# Altium PCB версия1.PcbDoc (part 3 of 3)
Units mm, origin at the board's own origin, x right, y up, seen from the top; angles counter-clockwise.
Board outline 53 x 45 mm, 4 copper layers (Top Layer, Layer 1, Layer 2, Bottom Layer), stack 1.083 mm thick; 122 components, 140 nets, 822 pads, 325 vias.
Unrouted connection lines stored in the file: 1.
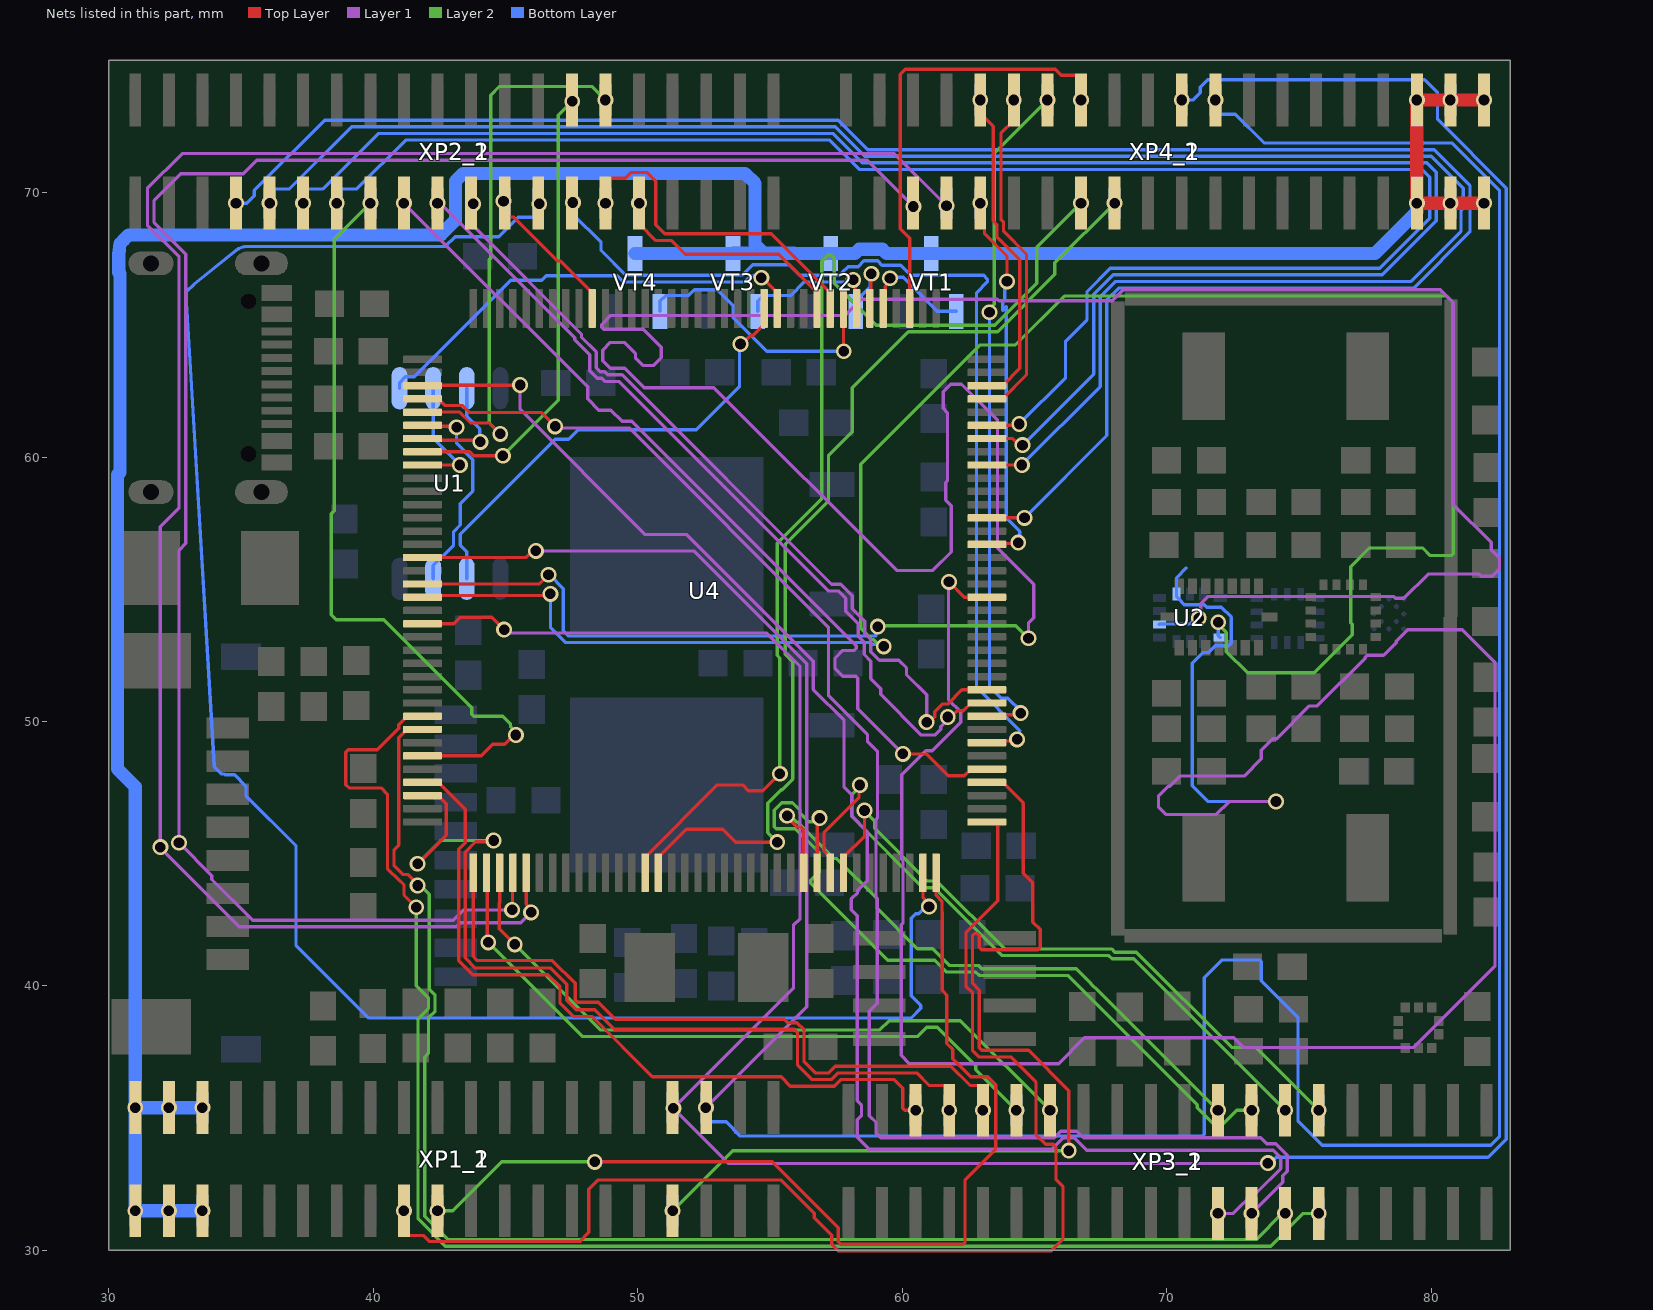
[diagram p5: the nets of this part, all layers, seen from the top]

## Via types
v1: diameter 0.6, hole 0.4, Top Layer to Bottom Layer, 325 vias

## Nets (pads, with @x,y where several pads share a name; then routed paths per layer and width w, separated by ;. In a path a pad name is that pad's centre, name@x,y a point inside that pad or via, vN(x,y) a via of type N, cw(c..) or ccw(c..) an arc to the next point about the centre after c; other vN are vias at no path point) (continued)
NetU1_2: U1.2 U4.86 | length 18.1
  Top Layer w0.125: v1(53.887,64.275) 53.942,64.275 54.253,64.586 54.341,64.586 54.78,65.025 U4.86@54.78,65.62
  Bottom Layer w0.125: U1.2@43.535,55.4 43.535,56.426 43.287,56.673 43.287,57.077 46.885,60.674 47.383,60.674 47.746,61.038 52.217,61.038 53.85,62.67 53.85,64.238 v1(53.887,64.275)
NetU1_3: U1.3 U4.114 | length 7.9
  Top Layer w0.125: U4.114@41.86,61.2 41.898,61.162 43.113,61.162 v1(43.15,61.125)
  Bottom Layer w0.125: U1.3@42.265,55.4 42.265,55.9 43.037,56.672 43.037,57.18 43.287,57.43 43.287,58.239 43.762,58.714 43.762,59.902 43.15,60.514 v1(43.15,61.125)
NetU1_5: U1.5 U4.85 | length 17.2
  Top Layer w0.125: v1(54.675,66.78) 54.715,66.78 55.28,66.215 U4.85@55.28,65.62
  Bottom Layer w0.125: U1.5@40.995,62.6 40.995,62.818 41.214,63.037 41.548,63.037 45.198,66.688 46.371,66.688 46.533,66.85 49.219,66.85 49.45,66.619 54.05,66.619 54.281,66.85 54.605,66.85 v1(54.675,66.78)
NetU1_6: U1.6 U4.117 | length 4.7
  Top Layer w0.125: U4.117@41.86,59.7 v1(43.275,59.7)
  Bottom Layer w0.125: U1.6@42.265,62.6 42.265,60.71 v1(43.275,59.7)
NetU1_7: U1.7 U4.115 | length 4.5
  Top Layer w0.125: U4.115@41.86,60.7 41.923,60.638 43.987,60.638 v1(44.05,60.575)
  Bottom Layer w0.125: U1.7@43.535,62.6 43.535,61.55 44.022,61.062 44.022,60.603 v1(44.05,60.575)
NetU2_4: U2.4 U4.127 | length 75.5
  Top Layer w0.125: U4.127@41.86,54.7 41.923,54.763 46.638,54.763 v1(46.7,54.825)
  Layer 2 w0.125: v1(59.303,52.84) 59.175,52.84 58.916,53.099 58.873,53.099 58.437,53.534 58.437,59.73 62.945,64.237 64.284,64.237 66.134,66.088 80.581,66.088 80.842,65.827 80.842,56.348 80.768,56.275 79.961,56.275 79.673,56.563 77.67,56.563 76.963,55.855 76.963,53.727 77.013,53.677 77.013,53.273 75.579,51.84 73.057,51.84 72.255,52.642 72.255,53.367 71.951,53.671 v1(71.951,53.753)
  Bottom Layer w0.125: v1(46.7,54.825) 46.7,53.557 47.272,52.986 58.775,52.986 58.837,52.923 59.22,52.923 v1(59.303,52.84) ; v1(71.951,53.753) 71.951,53.249 U2.4@72.025,53.175
NetU2_9: U2.9 U4.126 | length 124.4
  Top Layer w0.125: U4.126@41.86,55.2 46.275,55.2 v1(46.625,55.55)
  Layer 1 w0.125: v1(64.775,53.15) 64.775,53.719 64.978,53.922 64.978,55.183 63.604,56.556 63.604,61.394 62.242,62.757 61.838,62.757 61.553,62.471 61.553,61.837 61.713,61.677 61.713,59.098 61.643,59.029 61.643,58.372 61.849,58.166 61.849,56.41 61.152,55.712 59.792,55.712 52.88,62.624 50.244,62.624 49.51,63.358 48.967,63.358 48.681,63.643 48.681,64.047 48.967,64.333 49.496,64.333 49.912,63.916 49.912,63.748 50.198,63.462 50.602,63.462 50.832,63.693 50.832,63.707 50.888,63.763 50.888,64.152 50.207,64.833 48.709,64.833 48.636,64.906 48.636,65.01 48.981,65.355 57.851,65.355 58.458,65.963 63.599,65.963 63.657,65.904 67.939,65.904 68.359,66.325 80.344,66.325 80.842,65.827 80.842,58.205 82.275,56.771 82.275,56.489 82.588,56.177 82.588,55.773 82.302,55.487 81.898,55.487 81.811,55.575 79.886,55.575 78.967,54.657 78.65,54.657 78.582,54.725 71.551,54.725 71.286,54.459 71.286,53.98 v1(71.215,53.909)
  Layer 2 w0.125: v1(59.075,53.586) 59.112,53.623 64.302,53.623 v1(64.775,53.15)
  Bottom Layer w0.125: v1(46.625,55.55) 46.664,55.55 47.188,55.027 47.188,53.423 47.375,53.236 58.997,53.236 58.997,53.508 v1(59.075,53.586) ; U2.9@69.725,53.675 69.738,53.687 70.864,53.687 71.086,53.909 v1(71.215,53.909)
NetU2_12: U2.12 U4.54 | length 92.5
  Top Layer w0.125: v1(61.77,55.28) 62.35,54.7 U4.54@63.2,54.7
  Layer 1 w0.125: v1(61.77,55.28) 61.75,55.261 61.75,50.832 62.209,50.373 62.209,49.97 61.135,48.896 60.899,48.896 59.988,47.984 59.988,44.784 60.027,44.745 60.027,42.373 59.962,42.309 59.962,37.372 60.271,37.064 65.916,37.064 66.89,38.037 72.536,38.037 72.898,37.675 79.35,37.675 82.413,40.738 82.413,52.237 81.175,53.475 79.121,53.475 78.684,53.037 78.684,52.982 78.202,52.5 77.586,52.5 77.512,52.427 77.512,52.398 75.702,50.587 75.4,50.587 74.157,49.345 74.007,49.345 73.575,48.913 73.575,48.586 72.927,47.937 70.502,47.937 70.121,47.557 70.068,47.557 69.688,47.176 69.688,46.772 69.973,46.487 71.876,46.487 72.364,46.975 v1(74.135,46.975)
  Bottom Layer w0.125: 70.738,55.807 70.375,55.445 70.375,54.725 70.563,54.538 70.563,54.508 70.658,54.412 71.428,54.412 71.516,54.325 72.068,54.325 72.439,53.955 72.439,53.551 72.438,53.55 72.438,52.958 72.342,52.863 71.842,52.863 71.592,52.612 71.379,52.612 70.969,52.202 70.969,47.576 71.57,46.975 v1(74.135,46.975)
NetU4_1: U4.1 XP3_1.10 XP3_2.10 | length 26.6
  Top Layer w0.125: U4.1@43.78,44.28 43.78,41.115 43.933,40.962 46.774,40.962 47.637,40.099 47.637,39.483 47.733,39.387 48.508,39.387 49.158,38.737 55.542,38.737 55.667,38.613 56.021,38.613 56.287,38.346 56.287,37.133 56.708,36.712 57.221,36.712 57.471,36.962 61.841,36.962 62.566,36.237 62.888,36.237 63.05,36.075 v1(63.05,35.3)
NetU4_2: U4.2 XP3_1.12 XP3_2.12 | length 25.6
  Top Layer w0.125: U4.2@44.28,44.28 44.315,44.245 44.315,41.685 v1(44.35,41.65)
  Layer 2 w0.125: v1(44.35,41.65) 47.912,38.088 60.573,38.088 60.923,38.438 61.327,38.438 62.778,36.986 62.778,36.842 v1(64.32,35.3)
NetU4_3: U4.3 XP3_1.14 XP3_2.14 | length 26.1
  Top Layer w0.125: U4.3@44.78,44.28 44.78,43.149 44.762,43.132 44.762,42.163 v1(45.35,41.575)
  Layer 2 w0.125: v1(45.35,41.575) 48.586,38.339 59.154,38.339 59.503,38.688 62.202,38.688 v1(65.59,35.3)
NetU4_4: U4.4 XP4_1.5 XP4_2.5 | length 70.4
  Top Layer w0.125: v1(45.25,42.875) 45.265,42.89 45.265,44.265 U4.4@45.28,44.28
  Layer 1 w0.125: v1(45.25,42.875) 43.417,42.875 43.029,42.487 35.438,42.487 33.898,44.027 33.898,44.173 v1(32.656,45.415) 32.656,56.484 32.906,56.734 32.906,67.674 31.713,68.868 31.713,69.702 32.723,70.713 35.088,70.713 35.6,71.225 58.675,71.225 v1(60.425,69.475)
NetU4_5: U4.5 XP4_1.7 XP4_2.7 | length 74.4
  Top Layer w0.125: U4.5@45.78,44.28 45.78,43.099 45.969,42.91 v1(45.969,42.781)
  Layer 1 w0.125: v1(45.969,42.781) 45.575,42.387 43.283,42.387 43.133,42.237 34.938,42.237 31.95,45.225 v1(31.95,45.25) 31.95,57.37 32.656,58.076 32.656,67.571 31.463,68.764 31.463,70.166 32.771,71.475 59.7,71.475 v1(61.675,69.5)
NetU4_14: U4.14 XP4_1.15 XP4_2.15 | length 41.6
  Top Layer w0.125: U4.14@50.28,44.28 50.28,44.875 53.005,47.6 53.965,47.6 54.185,47.38 54.73,47.38 v1(55.375,48.025)
  Layer 2 w0.125: v1(55.375,48.025) 55.375,52.396 55.273,52.498 55.273,56.741 56.962,58.43 56.962,67.412 57.198,67.648 57.302,67.648 57.433,67.517 57.433,66.577 59.022,64.987 63.502,64.987 65.086,66.571 65.086,67.926 v1(66.76,69.6)
NetU4_15: U4.15 XP4_1.17 XP4_2.17 | length 37.7
  Top Layer w0.125: U4.15@50.78,44.28 50.78,44.875 51.832,45.928 53.223,45.928 53.711,45.44 v1(55.275,45.44)
  Layer 2 w0.125: v1(55.275,45.44) 54.912,45.803 54.912,46.912 55.425,47.425 55.464,47.425 55.863,47.823 55.863,52.262 55.58,52.544 55.58,56.695 57.212,58.327 57.212,60.057 58.114,60.959 58.114,62.617 60.235,64.737 63.605,64.737 65.772,66.904 65.772,67.342 v1(68.03,69.6)
NetU4_26: U4.26 XP3_1.24 XP3_2.24 | length 23.6
  Top Layer w0.125: v1(55.65,46.438) 55.65,46.389 56.029,46.01 56.177,46.01 56.28,45.907 U4.26@56.28,44.28
  Layer 2 w0.125: v1(55.65,46.438) 55.779,46.438 56.016,46.2 56.057,46.2 57.439,44.818 57.523,44.818 59.052,43.29 59.052,42.939 60.578,41.412 61.146,41.412 61.781,40.778 62.883,40.778 63.011,40.65 66.59,40.65 67.137,40.102 67.137,40.093 67.423,39.807 67.433,39.807 v1(71.94,35.3)
NetU4_27: U4.27 XP3_1.26 XP3_2.26 | length 29.1
  Top Layer w0.125: U4.27@56.78,44.28 56.793,44.293 56.793,46.267 v1(56.875,46.35)
  Layer 2 w0.125: v1(56.875,46.35) 56.746,46.35 56.605,46.208 56.461,46.208 56.138,46.532 56.138,46.639 55.852,46.925 55.448,46.925 55.162,46.639 55.162,46.023 55.236,45.95 55.954,45.95 56.875,45.029 56.875,44.325 56.545,43.995 56.545,43.891 59.457,40.978 61.227,40.978 61.677,40.528 62.779,40.528 62.907,40.4 66.259,40.4 71.158,35.502 71.158,35.393 71.738,34.812 72.166,34.812 72.654,35.3 v1(73.21,35.3)
NetU4_28: U4.28 XP3_1.28 XP3_2.28 | length 26.3
  Top Layer w0.125: U4.28@57.28,44.28 57.28,44.875 57.043,45.113 57.043,45.791 58.364,47.112 58.364,47.564 v1(58.4,47.6)
  Layer 2 w0.125: v1(58.4,47.6) 58.4,47.536 58.088,47.223 58.088,46.409 60.778,43.718 61.207,43.718 63.775,41.15 67.813,41.15 67.935,41.028 68.752,41.028 v1(74.48,35.3)
NetU4_29: U4.29 XP3_1.30 XP3_2.30 | length 24.7
  Top Layer w0.125: U4.29@57.78,44.28 57.78,44.875 58.575,45.67 v1(58.575,46.634)
  Layer 2 w0.125: v1(58.575,46.634) 58.575,46.611 58.953,46.233 58.953,45.958 60.942,43.968 61.31,43.968 63.879,41.4 67.916,41.4 68.038,41.278 68.856,41.278 72.459,37.675 73.375,37.675 v1(75.75,35.3)
NetU4_35: U4.35 XP2_1.25 XP2_2.25 | length 71.8
  Top Layer w0.125: U4.35@60.78,44.28 60.785,44.275 60.785,43.358 61.014,43.129 v1(61.014,43)
  Bottom Layer w0.125: v1(46.275,69.575) 46.275,69.26 46.077,69.063 45.487,69.063 44.751,68.326 43.094,68.326 42.731,67.962 35.22,67.962 ccw(c35.22,67.325) 34.82,67.822 33.223,66.538 32.937,66.252 32.937,65.848 33.987,48.298 34.273,48.012 34.377,48.012 34.402,47.988 34.755,47.988 35.188,47.555 35.188,47.202 37.078,45.312 37.078,41.547 39.837,38.787 60.333,38.787 60.706,39.161 60.706,39.264 60.337,39.633 60.337,42.567 60.503,42.733 60.619,42.733 60.886,43 v1(61.014,43)
NetU4_36: U4.36 XP1_1.19 XP1_2.19 | length 38.1
  Top Layer w0.125: v1(48.375,33.35) 55.088,33.35 57.582,30.856 57.582,30.333 57.678,30.237 62.302,30.237 62.375,30.311 62.375,32.671 63.538,33.834 63.538,36.267 63.239,36.566 62.592,36.566 61.911,37.247 61.911,37.6 61.685,37.826 61.685,39.658 61.513,39.831 61.513,42.787 61.502,42.798 61.502,43.202 61.28,43.424 U4.36@61.28,44.28
  Layer 2 w0.125: v1(42.43,31.5) 43.011,31.5 44.861,33.35 v1(48.375,33.35)
NetU4_37: U4.37 XP1_1.17 XP1_2.17 | length 48.4
  Top Layer w0.125: v1(41.16,31.5) 41.16,30.725 41.322,30.563 41.913,30.563 42.138,30.338 47.802,30.338 48.145,30.68 48.145,32.32 48.488,32.663 55.422,32.663 56.675,31.41 56.675,31.24 57.332,30.583 57.332,30.229 57.574,29.987 57.928,29.987 65.632,29.987 66.077,30.433 66.077,32.421 65.812,32.686 65.812,33.909 65.711,34.011 65.424,34.011 65.058,34.378 65.058,36.371 64.113,37.316 62.902,37.316 62.661,37.557 62.661,39.744 62.411,39.994 62.411,42.014 63.613,43.216 63.613,46.123 63.535,46.2 U4.37@63.2,46.2
NetU4_40: U4.40 XP1_1.33 XP1_2.33 | length 37.2
  Top Layer w0.125: U4.40@63.2,47.7 63.795,47.7 64.575,46.92 64.575,44.264 64.938,43.902 64.938,42.418 65.217,42.139 65.217,41.471 65.122,41.376 63.006,41.376 62.911,41.471 62.911,41.911 62.837,41.984 62.734,41.984 62.661,41.911 62.661,40.097 62.911,39.847 62.911,37.661 63.006,37.566 64.779,37.566 66.3,36.045 v1(66.3,33.775)
  Layer 2 w0.125: v1(51.32,31.5) 53.595,33.775 v1(66.3,33.775)
NetU4_41: U4.41 XP2_1.17 XP2_2.17 | length 34
  Top Layer w0.125: v1(60.025,48.775) 60.914,48.775 61.744,47.946 62.351,47.946 62.605,48.2 U4.41@63.2,48.2
  Layer 1 w0.125: v1(41.16,69.6) 48.105,62.655 48.105,62.198 48.529,61.774 48.986,61.774 49.41,61.35 49.779,61.35 58.264,52.864 58.264,52.761 58.191,52.687 57.748,52.687 57.462,52.402 57.462,51.998 57.748,51.712 58.243,51.712 58.316,51.639 58.316,50.484 v1(60.025,48.775)
NetU4_43: U4.43 XP2_1.27 XP2_2.27 | length 37.7
  Top Layer w0.125: U4.43@63.2,49.2 63.263,49.138 63.388,49.263 64.284,49.263 v1(64.346,49.325)
  Bottom Layer w0.125: v1(47.55,69.625) 47.55,69.185 48.613,68.122 48.613,67.81 49.553,66.869 53.947,66.869 54.345,67.267 55.732,67.267 56.13,66.869 57.647,66.869 57.742,66.965 57.742,66.979 57.962,67.199 58.334,67.199 58.555,67.42 59.071,67.42 59.236,67.255 59.936,67.255 60.322,66.869 63.081,66.869 63.223,66.727 63.223,66.623 62.812,66.212 62.812,51.294 64.45,49.657 64.437,49.644 64.437,49.416 v1(64.346,49.325)
NetU4_45: U4.45 XP4_1.14 XP4_2.14 | length 26.1
  Top Layer w0.125: U4.45@63.2,50.2 63.275,50.275 63.29,50.26 64.417,50.26 v1(64.477,50.319)
  Layer 2 w0.125: v1(63.3,65.475) 63.3,65.604 63.475,65.779 63.475,71.485 v1(65.49,73.5)
  Bottom Layer w0.125: v1(63.3,65.475) 63.3,51.325 63.742,50.883 63.992,50.883 64.477,50.398 v1(64.477,50.319)
NetU4_46: U4.46 XP2_1.19 XP2_2.19 | length 31.5
  Top Layer w0.125: v1(61.721,50.171) 61.85,50.171 62.09,50.411 62.316,50.411 62.605,50.7 U4.46@63.2,50.7
  Layer 1 w0.125: v1(42.43,69.6) 42.539,69.6 47.624,64.516 47.624,64.429 48.181,63.871 48.181,63.268 48.474,62.975 48.642,62.975 48.76,62.858 49.282,62.858 57.202,54.938 57.577,54.938 57.863,54.652 57.863,54.17 58.337,53.695 58.337,53.229 58.566,53 58.566,52.534 58.812,52.288 58.812,51.623 59.187,51.248 59.187,51.023 60.723,49.487 61.238,49.487 61.463,49.713 61.463,49.798 61.721,50.057 v1(61.721,50.171)
NetU4_47: U4.47 XP2_1.21 XP2_2.21 | length 30.7
  Top Layer w0.125: v1(60.925,49.975) 61.036,49.975 61.234,50.173 61.234,50.373 61.519,50.659 61.72,50.659 62.261,51.2 U4.47@63.2,51.2
  Layer 1 w0.125: v1(43.78,69.575) 43.7,69.495 43.7,68.814 47.874,64.641 47.874,64.532 48.431,63.975 48.431,63.371 48.578,63.225 48.746,63.225 48.863,63.108 49.407,63.108 57.327,55.188 57.68,55.188 58.113,54.755 58.113,54.273 58.587,53.798 58.587,53.332 58.816,53.104 58.816,52.638 59.141,52.313 59.877,52.313 60.163,52.027 60.163,51.773 60.925,51.011 v1(60.925,49.975)
NetU4_58: U4.58 XP4_1.9 XP4_2.9 | length 15.1
  Top Layer w0.125: v1(62.95,69.6) 63.112,69.438 63.112,68.438 63.963,67.588 v1(63.963,66.642) ; U4.58@63.2,56.7 63.233,56.733 64.354,56.733 v1(64.387,56.766)
  Bottom Layer w0.125: v1(63.963,66.642) 63.873,66.553 63.873,65.938 63.8,65.864 63.8,65.55 63.937,65.687 63.937,57.698 64.448,57.188 64.448,56.827 v1(64.387,56.766)
NetU4_60: U4.60 XP2_1.7 XP2_2.7 | length 76.6
  Top Layer w0.125: U4.60@63.2,57.7 v1(64.625,57.7)
  Bottom Layer w0.125: v1(34.81,69.6) 35.222,69.6 35.505,69.883 35.505,70.08 38.163,72.738 57.578,72.738 58.69,71.625 80.113,71.625 81.467,70.271 81.467,68.514 79.343,66.39 68.18,66.39 67.74,65.949 67.74,60.815 v1(64.625,57.7)
NetU4_64: U4.64 XP2_1.9 XP2_2.9 | length 72.8
  Top Layer w0.125: U4.64@63.2,59.7 v1(64.525,59.7)
  Bottom Layer w0.125: v1(36.08,69.6) 36.08,69.975 36.242,70.138 36.833,70.138 39.183,72.488 57.474,72.488 58.587,71.375 80.01,71.375 81.217,70.167 81.217,69.398 81.127,69.308 81.127,68.527 79.24,66.64 68.076,66.64 67.49,66.053 67.49,62.665 v1(64.525,59.7)
NetU4_66: U4.66 XP2_1.11 XP2_2.11 | length 69
  Top Layer w0.125: U4.66@63.2,60.7 64.171,60.7 64.421,60.45 v1(64.55,60.45)
  Bottom Layer w0.125: v1(37.35,69.6) 37.35,69.975 37.512,70.138 38.103,70.138 40.203,72.238 57.371,72.238 58.483,71.125 79.843,71.125 80.197,70.77 80.197,68.929 78.158,66.89 67.973,66.89 67.24,66.156 67.24,63.14 v1(64.55,60.45)
NetU4_67: U4.67 XP2_1.13 XP2_2.13 | length 66.1
  Top Layer w0.125: U4.67@63.2,61.2 64.375,61.2 v1(64.425,61.25)
  Bottom Layer w0.125: v1(38.62,69.6) 38.62,69.975 38.782,70.138 39.373,70.138 41.223,71.988 57.267,71.988 58.38,70.875 79.65,70.875 79.947,70.578 79.947,69.033 78.054,67.14 67.869,67.14 66.99,66.26 66.99,65.199 66.175,64.385 66.175,63 v1(64.425,61.25)
NetU4_69: U4.69 XP4_1.12 XP4_2.12 | length 12.9
  Top Layer w0.125: U4.69@63.2,62.2 63.795,62.2 64.7,63.105 64.7,67.665 63.832,68.533 63.832,68.886 63.732,68.986 63.732,72.237 64.22,72.725 v1(64.22,73.5)
NetU4_70: U4.70 XP4_1.10 XP4_2.10 | length 12.4
  Top Layer w0.125: v1(62.95,73.5) 62.95,73.323 62.787,73.161 62.777,73.161 63.437,72.5 63.437,68.928 63.582,68.783 63.582,68.321 64.45,67.454 64.45,63.355 63.795,62.7 U4.70@63.2,62.7
NetU4_75: U4.75 XP4_1.16 XP4_2.16 | length 16.8
  Top Layer w0.125: U4.75@60.28,65.62 60.28,68.275 59.922,68.633 59.922,74.467 60.118,74.662 65.782,74.662 66.007,74.437 66.597,74.437 66.76,74.275 v1(66.76,73.5)
NetU4_77: U4.77 VT1.1 | length 4.3
  Top Layer w0.125: U4.77@59.28,65.62 59.357,65.697 59.357,66.449 59.539,66.631 v1(59.539,66.759)
  Bottom Layer w0.125: v1(59.539,66.759) 59.58,66.8 60.038,66.8 61.33,65.508 VT1.1@62.04,65.508
NetU4_78: U4.78 VT2.1 | length 3
  Top Layer w0.125: U4.78@58.78,65.62 58.807,65.647 58.807,66.905 v1(58.835,66.932)
  Bottom Layer w0.125: VT2.1@58.24,65.508 58.24,65.889 58.796,66.445 58.796,66.893 v1(58.835,66.932)
NetU4_79: U4.79 VT3.1 | length 5.5
  Top Layer w0.125: v1(58.149,66.697) 58.215,66.631 58.215,66.28 58.28,66.215 U4.79@58.28,65.62
  Bottom Layer w0.125: VT3.1@54.54,65.508 54.54,65.889 54.757,66.106 55.788,66.106 56.302,66.619 58.072,66.619 v1(58.149,66.697)
NetU4_80: U4.80 VT4.1 | length 10.4
  Top Layer w0.125: U4.80@57.78,65.62 57.778,65.617 57.778,64.012 v1(57.789,64)
  Bottom Layer w0.125: VT4.1@50.84,65.508 50.84,65.889 51.057,66.106 51.919,66.106 52.144,66.331 53.007,66.331 53.6,65.738 53.6,65.278 54.882,63.996 57.785,63.996 v1(57.789,64)
NetU4_81: U4.81 XP2_1.29 XP2_2.29 | length 12.9
  Top Layer w0.125: v1(48.78,69.6) 48.78,70.375 48.942,70.538 49.53,70.538 49.755,70.763 50.342,70.763 50.685,70.42 50.685,68.78 51.028,68.438 55.057,68.438 57.28,66.215 U4.81@57.28,65.62
NetU4_82: U4.82 XP2_1.31 XP2_2.31 | length 9.2
  Top Layer w0.125: v1(50.05,69.6) 50.05,68.825 50.688,68.188 51.278,68.188 51.803,67.663 55.332,67.663 56.78,66.215 U4.82@56.78,65.62
NetU4_99: U4.99 XP2_1.23 XP2_2.23 | length 5.7
  Top Layer w0.125: XP2_1.23@44.95,69.808 44.95,69.258 45.132,69.076 45.309,69.076 46.973,67.413 47.082,67.413 48.28,66.215 U4.99@48.28,65.62
  other v1: 44.925,69.675
NetU4_111: U4.111 XP3_1.23 XP3_2.23 | length 59.2
  Top Layer w0.125: U4.111@41.86,62.7 41.873,62.713 45.538,62.713 v1(45.55,62.725)
  Layer 1 w0.125: v1(45.55,62.725) 45.55,61.8 50.281,57.069 51.856,57.069 56.638,52.287 56.638,51.209 57.8,50.046 57.8,47.511 58.087,47.223 58.087,46.432 58.679,45.841 58.679,43.982 58.313,43.615 58.313,43.526 58.077,43.29 58.077,42.886 58.3,42.663 58.3,35.659 58.458,35.502 58.458,35.098 58.3,34.941 58.3,34.277 58.752,33.825 65.661,33.825 66.098,34.263 66.502,34.263 66.977,33.788 74.027,33.788 74.313,33.502 74.313,33.098 73.425,32.211 73.331,32.211 72.521,31.4 v1(71.94,31.4)
NetU4_112: U4.112 XP3_1.25 XP3_2.25 | length 58
  Top Layer w0.125: U4.112@41.86,62.2 42.455,62.2 42.705,61.95 43.368,61.95 43.63,61.688 46.352,61.688 v1(46.878,61.162)
  Layer 1 w0.125: v1(46.878,61.162) 46.939,61.1 49.675,61.1 57.212,53.563 57.212,50.988 58.687,49.513 58.687,49.247 59.063,48.872 59.063,46.352 59.013,46.302 59.013,43.329 59.052,43.29 59.052,39.344 58.752,39.044 58.752,35.098 59.013,34.838 59.013,34.437 59.188,34.263 65.745,34.263 65.995,34.513 66.605,34.513 66.855,34.263 73.552,34.263 73.777,34.038 74.13,34.038 74.563,33.605 74.563,32.995 74.395,32.827 74.395,32.585 v1(73.21,31.4)
NetU4_113: U4.113 XP2_1.30 XP2_2.30 | length 21
  Top Layer w0.125: U4.113@41.86,61.7 43.264,61.7 43.677,61.287 44.387,61.287 v1(44.8,60.875)
  Layer 2 w0.125: v1(44.8,60.875) 44.387,61.287 44.387,67.471 44.437,67.521 44.437,73.677 44.773,74.013 48.262,74.013 v1(48.775,73.5)
NetU4_116: U4.116 XP2_1.28 XP2_2.28 | length 17.6
  Top Layer w0.125: U4.116@41.86,60.2 43.641,60.2 43.791,60.05 v1(44.9,60.05)
  Layer 2 w0.125: v1(44.9,60.05) 47,62.15 47,72.925 v1(47.525,73.45)
NetU4_124: U4.124 XP1_1.36 XP1_2.36 XP4_1.24 XP4_2.24 | length 125.6
  Top Layer w0.125: U4.124@41.86,56.2 45.771,56.2 46.021,56.45 v1(46.15,56.45)
  Layer 1 w0.125: v1@46.175,56.5 46.225,56.45 52.121,56.45 56.388,52.184 56.388,39.213 v1(52.575,35.4)
  Bottom Layer w0.125: v1(52.575,35.4) 52.575,35.04 52.752,34.862 53.343,34.862 53.88,34.325 71.352,34.325 71.425,34.398 71.425,40.311 72.1,40.986 73.502,40.986 73.575,40.912 73.575,40.2 74.968,38.807 74.968,34.882 75.875,33.975 82.25,33.975 82.588,34.313 82.588,70.067 80.78,71.875 73.68,71.875 72.593,72.963 72.003,72.963 71.84,73.125 v1(71.84,73.5)
NetU4_129: U4.129 XP1_1.34 XP1_2.34 XP4_1.22 XP4_2.22 | length 117.5
  Top Layer w0.125: U4.129@41.86,53.7 43.048,53.7 43.286,53.937 44.488,53.937 v1(44.95,53.475)
  Layer 1 w0.125: v1(44.95,53.475) 45.075,53.35 54.868,53.35 56.138,52.08 56.138,42.548 55.888,42.298 55.888,39.913 v1(51.35,35.375) 53.438,33.287 73.812,33.287 v1(73.825,33.3)
  Bottom Layer w0.125: v1(70.57,73.5) 70.983,73.5 71.265,73.783 71.265,73.98 71.548,74.263 79.752,74.263 80.242,73.772 80.242,72.766 82.838,70.171 82.838,34.209 82.154,33.525 74.136,33.525 73.911,33.3 v1(73.825,33.3)
NetU4_136: U4.136 XP3_1.29 XP3_2.29 | length 58.4
  Top Layer w0.125: v1(41.626,42.975) 41.163,43.439 41.163,43.823 41.011,43.975 41.003,43.975 40.537,44.441 40.537,45.804 40.538,47.246 40.296,47.488 39.083,47.488 38.962,47.608 38.962,48.842 39.058,48.937 40.16,48.937 40.963,49.74 40.963,49.887 41.188,50.112 41.188,50.123 41.265,50.2 U4.136@41.86,50.2
  Layer 2 w0.125: v1(41.626,42.975) 41.626,40.013 42.088,39.552 42.088,39.148 41.692,38.753 41.692,31.195 42.725,30.162 73.932,30.162 75.169,31.4 v1(75.75,31.4)
NetU4_137: U4.137 XP3_1.27 XP3_2.27 | length 53.5
  Top Layer w0.125: v1(41.675,43.8) 41.675,43.854 41.313,44.216 41.116,44.216 40.787,44.544 40.787,45.155 40.963,45.33 40.963,49.387 41.188,49.612 41.188,49.622 41.265,49.7 U4.137@41.86,49.7
  Layer 2 w0.125: v1(41.675,43.8) 41.775,43.8 42.114,43.461 42.114,39.879 42.338,39.655 42.338,39.045 42.088,38.794 42.088,37.451 41.942,37.306 41.942,31.298 42.828,30.412 73.387,30.412 74.375,31.4 v1(74.48,31.4)
NetU4_139: U4.139 XP2_1.15 XP2_2.15 | length 29.2
  Top Layer w0.125: U4.139@41.86,48.7 44.086,48.7 44.523,49.138 44.964,49.138 45.316,49.489 v1(45.39,49.489)
  Layer 2 w0.125: v1(39.89,69.6) 38.525,68.235 38.525,57.964 38.412,57.852 38.412,54.036 38.598,53.85 40.4,53.85 43.725,50.525 43.725,50.273 43.798,50.2 44.901,50.2 45.187,49.914 45.187,49.822 45.39,49.618 v1(45.39,49.489)
NetU4_141: U4.141 XP3_1.6 XP3_2.6 | length 28.5
  Top Layer w0.125: U4.141@41.86,47.7 42.455,47.7 43.477,46.677 43.477,45.415 43.227,45.165 43.227,40.96 43.761,40.427 46.603,40.427 47.063,39.967 47.063,39.351 47.564,38.849 48.271,38.849 50.558,36.562 55.422,36.562 55.772,36.212 57.428,36.212 57.678,36.462 59.702,36.462 60.025,36.139 60.025,35.372 60.097,35.3 v1(60.51,35.3)
NetU4_142: U4.142 XP3_1.8 XP3_2.8 | length 34.6
  Top Layer w0.125: v1(41.674,44.624) 42.758,45.708 42.758,46.898 42.455,47.2 U4.142@41.86,47.2 ; v1@44.5,45.45 43.866,45.45 43.477,45.062 43.477,41.064 43.864,40.677 46.706,40.677 47.313,40.071 47.313,39.454 47.667,39.099 48.374,39.099 49.111,38.363 55.917,38.363 56.037,38.242 56.037,37.029 56.604,36.462 57.324,36.462 57.574,36.712 60.552,36.712 61.027,36.237 61.618,36.237 61.78,36.075 v1(61.78,35.3)
  Layer 2 w0.125: v1(41.674,44.624) 42.55,45.5 v1(44.55,45.5)
VCC: VT1.3 VT2.3 VT3.3 VT4.3 XP1_1.1 XP1_1.2 XP1_1.3 XP1_1.4 XP1_1.5 XP1_1.6 XP1_2.1 XP1_2.2 XP1_2.3 XP1_2.4 XP1_2.5 XP1_2.6 XP4_1.35 XP4_1.36 XP4_1.37 XP4_1.38 XP4_1.39 XP4_1.40 XP4_2.35 XP4_2.36 XP4_2.37 XP4_2.38 XP4_2.39 XP4_2.40 | length 110.6
  Top Layer w0.5: v1(82,69.6) v1(80.73,69.6) v1(79.46,69.6) v1(79.46,73.5) v1(80.73,73.5) v1(82,73.5)
  Bottom Layer w0.5: v1(33.54,31.5) v1(32.27,31.5) v1(31,31.5) v1(31,35.4) ; v1(33.54,35.4) v1(32.27,35.4) v1(31,35.4) ; VT4.3@49.9,67.692 VT3.3@53.6,67.692 53.613,67.705 54.763,67.705 ; v1(79.46,69.6) 79.46,69.275 77.877,67.692 VT1.3@61.1,67.692 59.417,67.692 59.252,67.857 58.374,67.857 58.209,67.692 VT2.3@57.3,67.692 55.926,67.692 55.913,67.705 54.763,67.705 ; v1(31,35.4) 31,47.533 30.332,48.201 30.332,59.327 30.425,59.42 30.425,66.933 30.375,66.983 30.375,67.667 30.425,68.07 30.571,68.217 30.755,68.4 42.55,68.4 43.105,68.955 43.105,70.432 43.398,70.725 54.055,70.725 54.435,70.345 54.435,68.033 54.763,67.705
pads on no net: D3.D4 D4.2 D4.3 D4.10 D4.11 D.9 D.CD P.S TYPE-C. TYPE-C.A8 TYPE-C.B8 TYPE-C.S3 TYPE-C.S4 U2.10 U2.11 U3.3 U3.5 U3.6 U3.7 U3.14 U3.15 U4.7 U4.12 U4.13 U4.44 U4.56 U4.57 U4.59 U4.63 U4.65 U4.68 U4.71 U4.76 U4.87 U4.96 U4.97 U4.102 U4.106 U4.118 U4.119 U4.122 U4.128 U4.140 U4.143 VD1.1 VD1.2 XP1_1.11 XP1_1.12 XP1_1.13 XP1_1.14 XP1_1.15 XP1_1.16 XP1_1.18 XP1_1.20 XP1_1.21 XP1_1.22 XP1_1.23 XP1_1.24 XP1_1.26 XP1_1.28 XP1_1.30 XP1_1.32 XP1_1.35 XP1_2.11 XP1_2.12 XP1_2.13 XP1_2.14 XP1_2.15 XP1_2.16 XP1_2.18 XP1_2.20 XP1_2.21 XP1_2.22 XP1_2.23 XP1_2.24 XP1_2.26 XP1_2.28 XP1_2.30 XP1_2.32 XP1_2.35 XP2_1.8 XP2_1.10 XP2_1.12 XP2_1.14 XP2_1.16 XP2_1.18 XP2_1.20 XP2_1.22 XP2_1.32 XP2_1.33 XP2_1.34 XP2_1.35 XP2_1.36 XP2_2.8 XP2_2.10 XP2_2.12 XP2_2.14 XP2_2.16 XP2_2.18 XP2_2.20 XP2_2.22 XP2_2.32 XP2_2.33 XP2_2.34 XP2_2.35 XP2_2.36 XP3_1.5 XP3_1.7 XP3_1.13 XP3_1.15 XP3_1.16 XP3_1.17 XP3_1.18 XP3_1.19 XP3_1.20 XP3_1.21 XP3_1.22 XP3_1.31 XP3_1.33 XP3_1.34 XP3_2.5 XP3_2.7 XP3_2.13 XP3_2.15 XP3_2.16 XP3_2.17 XP3_2.18 XP3_2.19 XP3_2.20 XP3_2.21 XP3_2.22 XP3_2.31 XP3_2.33 XP3_2.34 XP4_1.6 XP4_1.8 XP4_1.11 XP4_1.13 XP4_1.18 XP4_1.19 XP4_1.20 XP4_1.21 XP4_1.23 XP4_1.25 XP4_1.26 XP4_1.27 XP4_1.28 XP4_1.29 XP4_1.30 XP4_2.6 XP4_2.8 XP4_2.11 XP4_2.13 XP4_2.18 XP4_2.19 XP4_2.20 XP4_2.21 XP4_2.23 XP4_2.25 XP4_2.26 XP4_2.27 XP4_2.28 XP4_2.29 XP4_2.30

## Polygon pours and split planes (outlines as drawn)
GND on Top Layer "GND_L01_P035" (solid, pour order 35): 83,30.2 82.8,30 30,30 30,75 83,75
3V3_SEN on Top Layer "3V3_SEN_L01_P029" (solid, pour order 29): 79.9,44.325 68.925,44.325 68.925,65.125 68.9,65.15 79.9,65.15
3V3_SEN on Top Layer "NONET_L-01_P-001" (solid, remove dead copper, shelved, pour order 28): 75.925,55.175 76.825,55.175 77.475,55.825 77.975,55.825 77.975,58.325 77.95,58.3 76.35,58.3 76.35,56.25 75.625,55.525 75.625,55.05
3V3 on Top Layer "NONET_L-01_P-001" (solid, remove dead copper, shelved, pour order 26): 39.4,38.4 39.339,38.339 39.339,36.943 47.368,36.943 47.475,37.05 47.475,38.4
no net on Top Layer "NONET_L-01_P-001" (solid, remove dead copper, shelved, pour order 19): 73.725,74.65 73.725,68.35 73.8,68.275 76.15,68.275 76.15,74.625 76.075,74.7
3V3 on Top Layer "NONET_L-01_P-001" (solid, remove dead copper, shelved, pour order 18): 76.3,74.675 76.325,74.65 76.325,68.4 77.475,68.4 77.5,68.375 77.5,74.608
5V on Top Layer "NONET_L-01_P-001" (solid, remove dead copper, shelved, pour order 17): 77.5,74.7 77.5,68.375 77.575,68.3 78.65,68.3 78.65,74.65
VCC on Top Layer "NONET_L-01_P-001" (solid, remove dead copper, shelved, pour order 16): 78.85,74.625 78.9,74.575 78.9,68.3 82.7,68.3 82.775,68.375 82.775,74.625
3V3_SEN on Top Layer "NONET_L-01_P-001" (solid, remove dead copper, shelved, pour order 12): 77.725,53.35 77.75,53.325 78.525,53.325 78.525,49.925 77.7,49.1 74.725,49.1 74.725,50.075 74.7,50.1 75.05,50.45 77.9,50.45 77.9,51.825 77.725,52
3V3_SEN on Top Layer "NONET_L-01_P-001" (solid, remove dead copper, shelved, pour order 11): 75.625,55.525 76.2,55.525 76.225,55.55 76.225,54.425 78.275,54.425 78.3,54.4 78.25,54.35 78.25,52.975 77.1,52.975 75.625,54.45
3V3_SEN on Top Layer "NONET_L-01_P-001" (solid, remove dead copper, shelved, pour order 9): 76.55,41.35 76.6,41.3 76.6,40.1 78.875,40.1 78.95,40.175 78.95,41.325
3V3_SEN on Top Layer "NONET_L-01_P-001" (solid, remove dead copper, shelved, pour order 8): 81.75,38.375 81.75,36.875 75.975,36.875 75.75,37.1 75.75,37.95 75.9,37.95 76.15,38.2 77.6,38.2 77.6,37.3 77.575,37.275 79.9,37.275 79.9,37.975 80.3,38.375
5V on Top Layer "NONET_L-01_P-001" (solid, remove dead copper, shelved, pour order 7): 56.125,37.125 57.95,37.125 57.975,37.1 58.025,37.15 58.025,38.625 60,38.625 60.65,39.275 60.65,39.925 57.925,39.925 57.9,39.95 56.475,38.525 56.15,38.525
GND on Top Layer "NONET_L-01_P-001" (solid, remove dead copper, shelved, pour order 6): 53.225,36.85 53.225,30.9 59.85,30.9 59.85,36.85
GND on Top Layer "NONET_L-01_P-001" (solid, remove dead copper, shelved, pour order 5): 79,36.525 79,30.2 82.65,30.2 82.65,36.5
no net on Top Layer "NONET_L-01_P-001" (solid, remove dead copper, shelved, pour order 4): 36.8,36.425 36.85,36.375 36.85,30.225 39.3,30.225 39.225,30.3 39.225,36.525
GND on Top Layer "NONET_L-01_P-001" (solid, remove dead copper, shelved, pour order 0): 30.5,74.825 30.475,74.8 30.475,68.2 33,68.2 32.95,68.25 32.95,74.85
3V3 on Top Layer "NONET_L-01_P-001" (solid, remove dead copper, shelved, pour order 27): 33.425,49.275 35.65,49.275 35.65,50.875 36.15,51.375 40.25,51.375 40.25,52.883 40.033,53.1 33.375,53.1
3V3 on Top Layer "NONET_L-01_P-001" (solid, remove dead copper, shelved, pour order 10): 82.825,58.75 82.825,57.025 81.375,57.025 81.35,57 81.4,56.95 81.4,53.1 82.625,53.1 82.8,52.925 82.8,51.1 81.675,51.1 81.5,50.925 81.5,43.675 82.875,43.675 82.975,43.575 82.975,41.575 81.05,41.575 81.025,41.6 81.025,58.75
3V3 on Top Layer "NONET_L-01_P-001" (solid, remove dead copper, shelved, pour order 3): 35.7,36.5 35.7,30.175 36.575,30.175 36.575,36.413 36.488,36.5
5V on Top Layer "NONET_L-01_P-001" (solid, remove dead copper, shelved, pour order 2): 34.4,36.55 34.375,36.525 34.375,30.15 35.4,30.15 35.425,30.125 35.5,30.2 35.5,36.55
VCC on Top Layer "NONET_L-01_P-001" (solid, remove dead copper, shelved, pour order 1): 30.325,36.55 30.325,30.175 34.15,30.175 34.15,36.525
GND on Bottom Layer "GND_L04_P032" (solid, pour order 32): 83,30.2 82.8,30 30,30 30,75 83,75
5V on Bottom Layer "NONET_L-01_P-001" (solid, remove dead copper, shelved, pour order 24): 58.675,50.925 56.1,50.925 55.225,51.8 55.225,52.95 53.6,52.95 53.55,52.9 53.55,51.25 54.65,51.25 55.15,50.75 55.15,49.175 58.7,49.175
3V3 on Bottom Layer "NONET_L-01_P-001" (solid, remove dead copper, shelved, pour order 22): 58.425,48.5 58.425,46.95 62.075,46.95 62.1,46.925 62.1,44.55 63.525,44.55 63.55,44.525 63.575,44.55 63.575,47.25 62.95,47.25 61.7,48.5
3V3 on Bottom Layer "NONET_L-01_P-001" (solid, remove dead copper, shelved, pour order 20): 48.8,40.65 48.8,39.025 55.425,39.025 55.45,39.05 55.45,40.625
3V3_SEN on Bottom Layer "NONET_L-01_P-001" (solid, remove dead copper, shelved, pour order 14): 74.475,59.075 74.5,59.05 74.5,57.375 76.375,57.375 76.45,57.3 76.45,56 78,56 78,59.05
3V3_SEN on Bottom Layer "NONET_L-01_P-001" (solid, remove dead copper, shelved, pour order 13): 76.325,48.85 76.3,48.825 74.275,48.825 74.275,50.325 74.25,50.35 72.6,50.35 72.6,48.3 72.575,48.275 77.925,48.275 77.925,53.375 78.05,53.5 77.775,53.775 77.75,53.775 76.325,52.35
3V3_SEN on Bottom Layer "NONET_L-01_P-001" (solid, remove dead copper, shelved, pour order 25): 56.075,46.075 56.075,43.9 56.975,43 57.775,43 58.875,44.1 58.3,44.675 58.3,46.075
3V3 on Bottom Layer "NONET_L-01_P-001" (solid, remove dead copper, shelved, pour order 23): 55.6,51.4 57.1,51.4 57.1,52.925 57.825,53.65 61.95,53.65 61.95,55.175 61.825,55.3 61.6,55.075 55.625,55.075
3V3 on Bottom Layer "NONET_L-01_P-001" (solid, remove dead copper, shelved, pour order 21): 58.65,40.95 58.65,38.65 58.675,38.625 61.725,38.625 61.725,40.925
GND on Layer 2 "GND_L03_P033" (solid, pour order 33): 83.043,30.312 82.843,30.112 30.043,30.112 30.043,75 83.043,75
GND on Layer 2 "GND_L03_P031" (solid, pour order 31): 83,30.2 82.8,30 30,30 30,75 83,75
GND on Layer 1 "GND_L02_P034" (solid, pour order 34): 83,30.2 82.8,30 30,30 30,75 83,75

## Text inside footprints (layer, text, board x,y; h text height)
TYPE-C: Mechanical 13 "PCB EDGE" at 29.7,57.8 h0.61 r270